# Altium PCB FMC_ADC_100M_10B_16CHA_TDC.PcbDoc (part 1 of 4)
Units mm, origin at the board's own origin, x right, y up, seen from the top; angles counter-clockwise.
Board outline 76.78 x 69 mm, 6 copper layers (TOP, G1, L1, G2, POWER, BOTTOM), stack 1.282 mm thick; 796 components, 673 nets, 2963 pads, 62 vias.
Unrouted connection lines stored in the file: 2096.
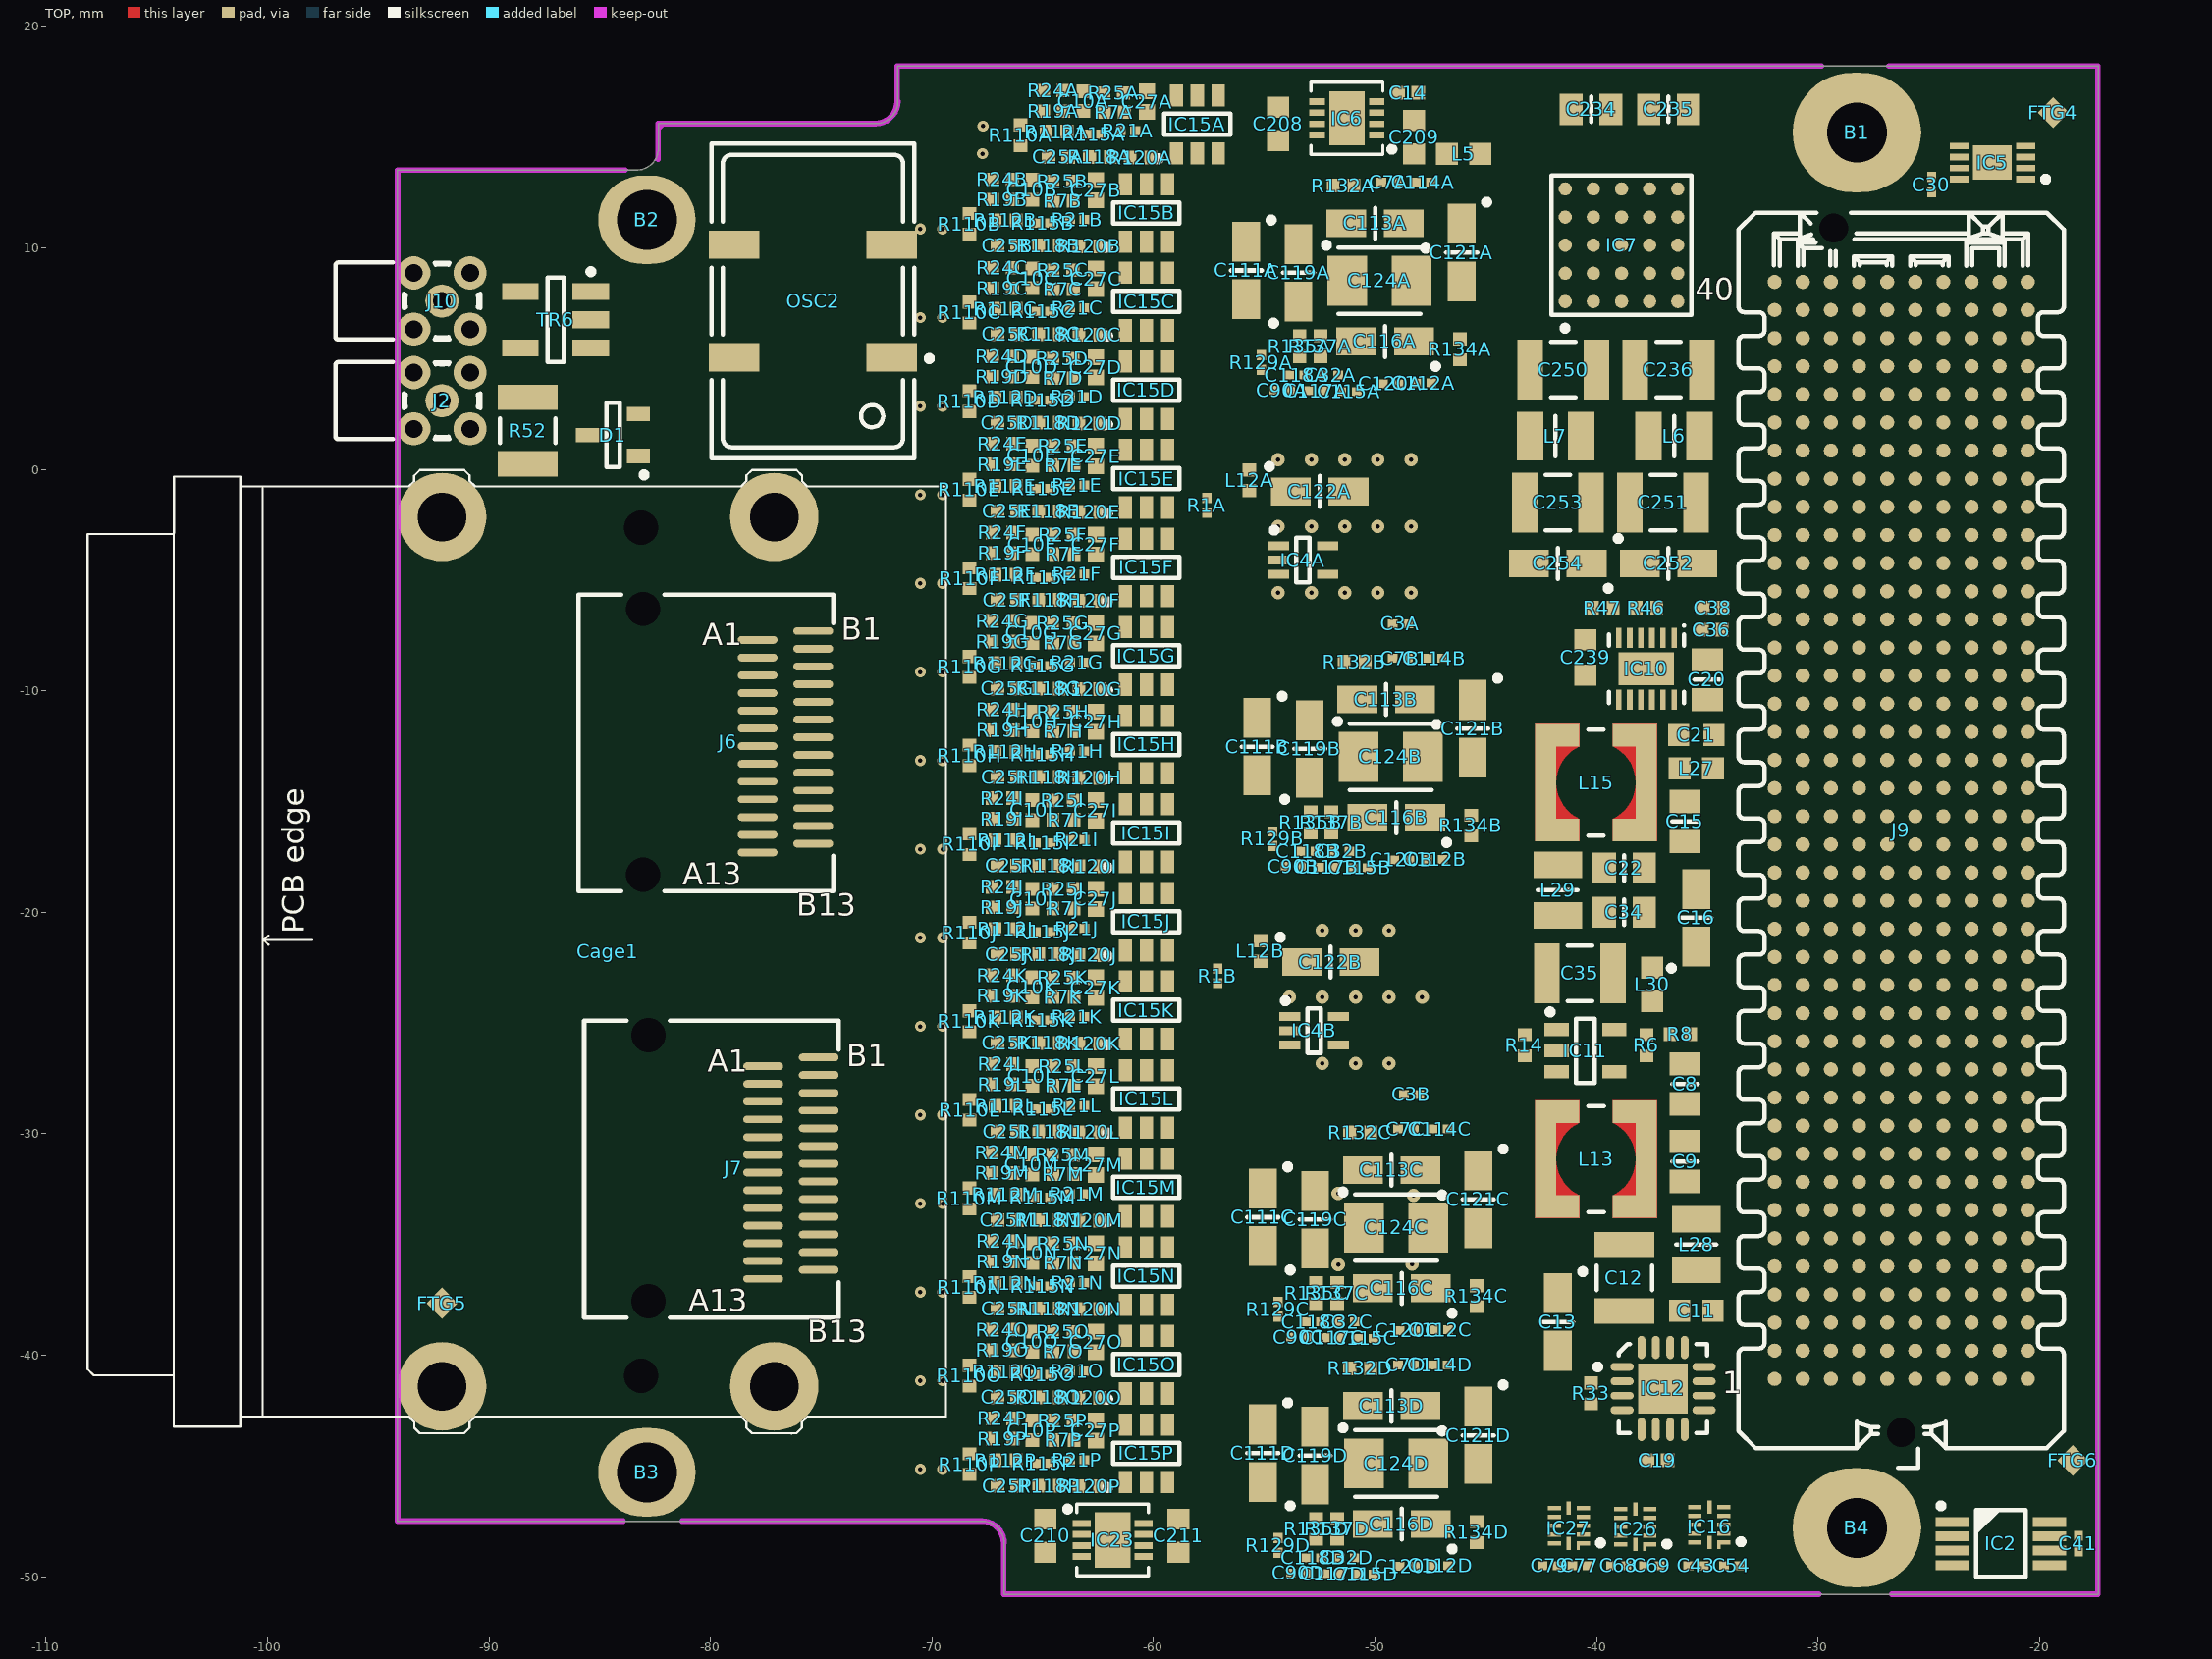
[diagram p0: TOP view]
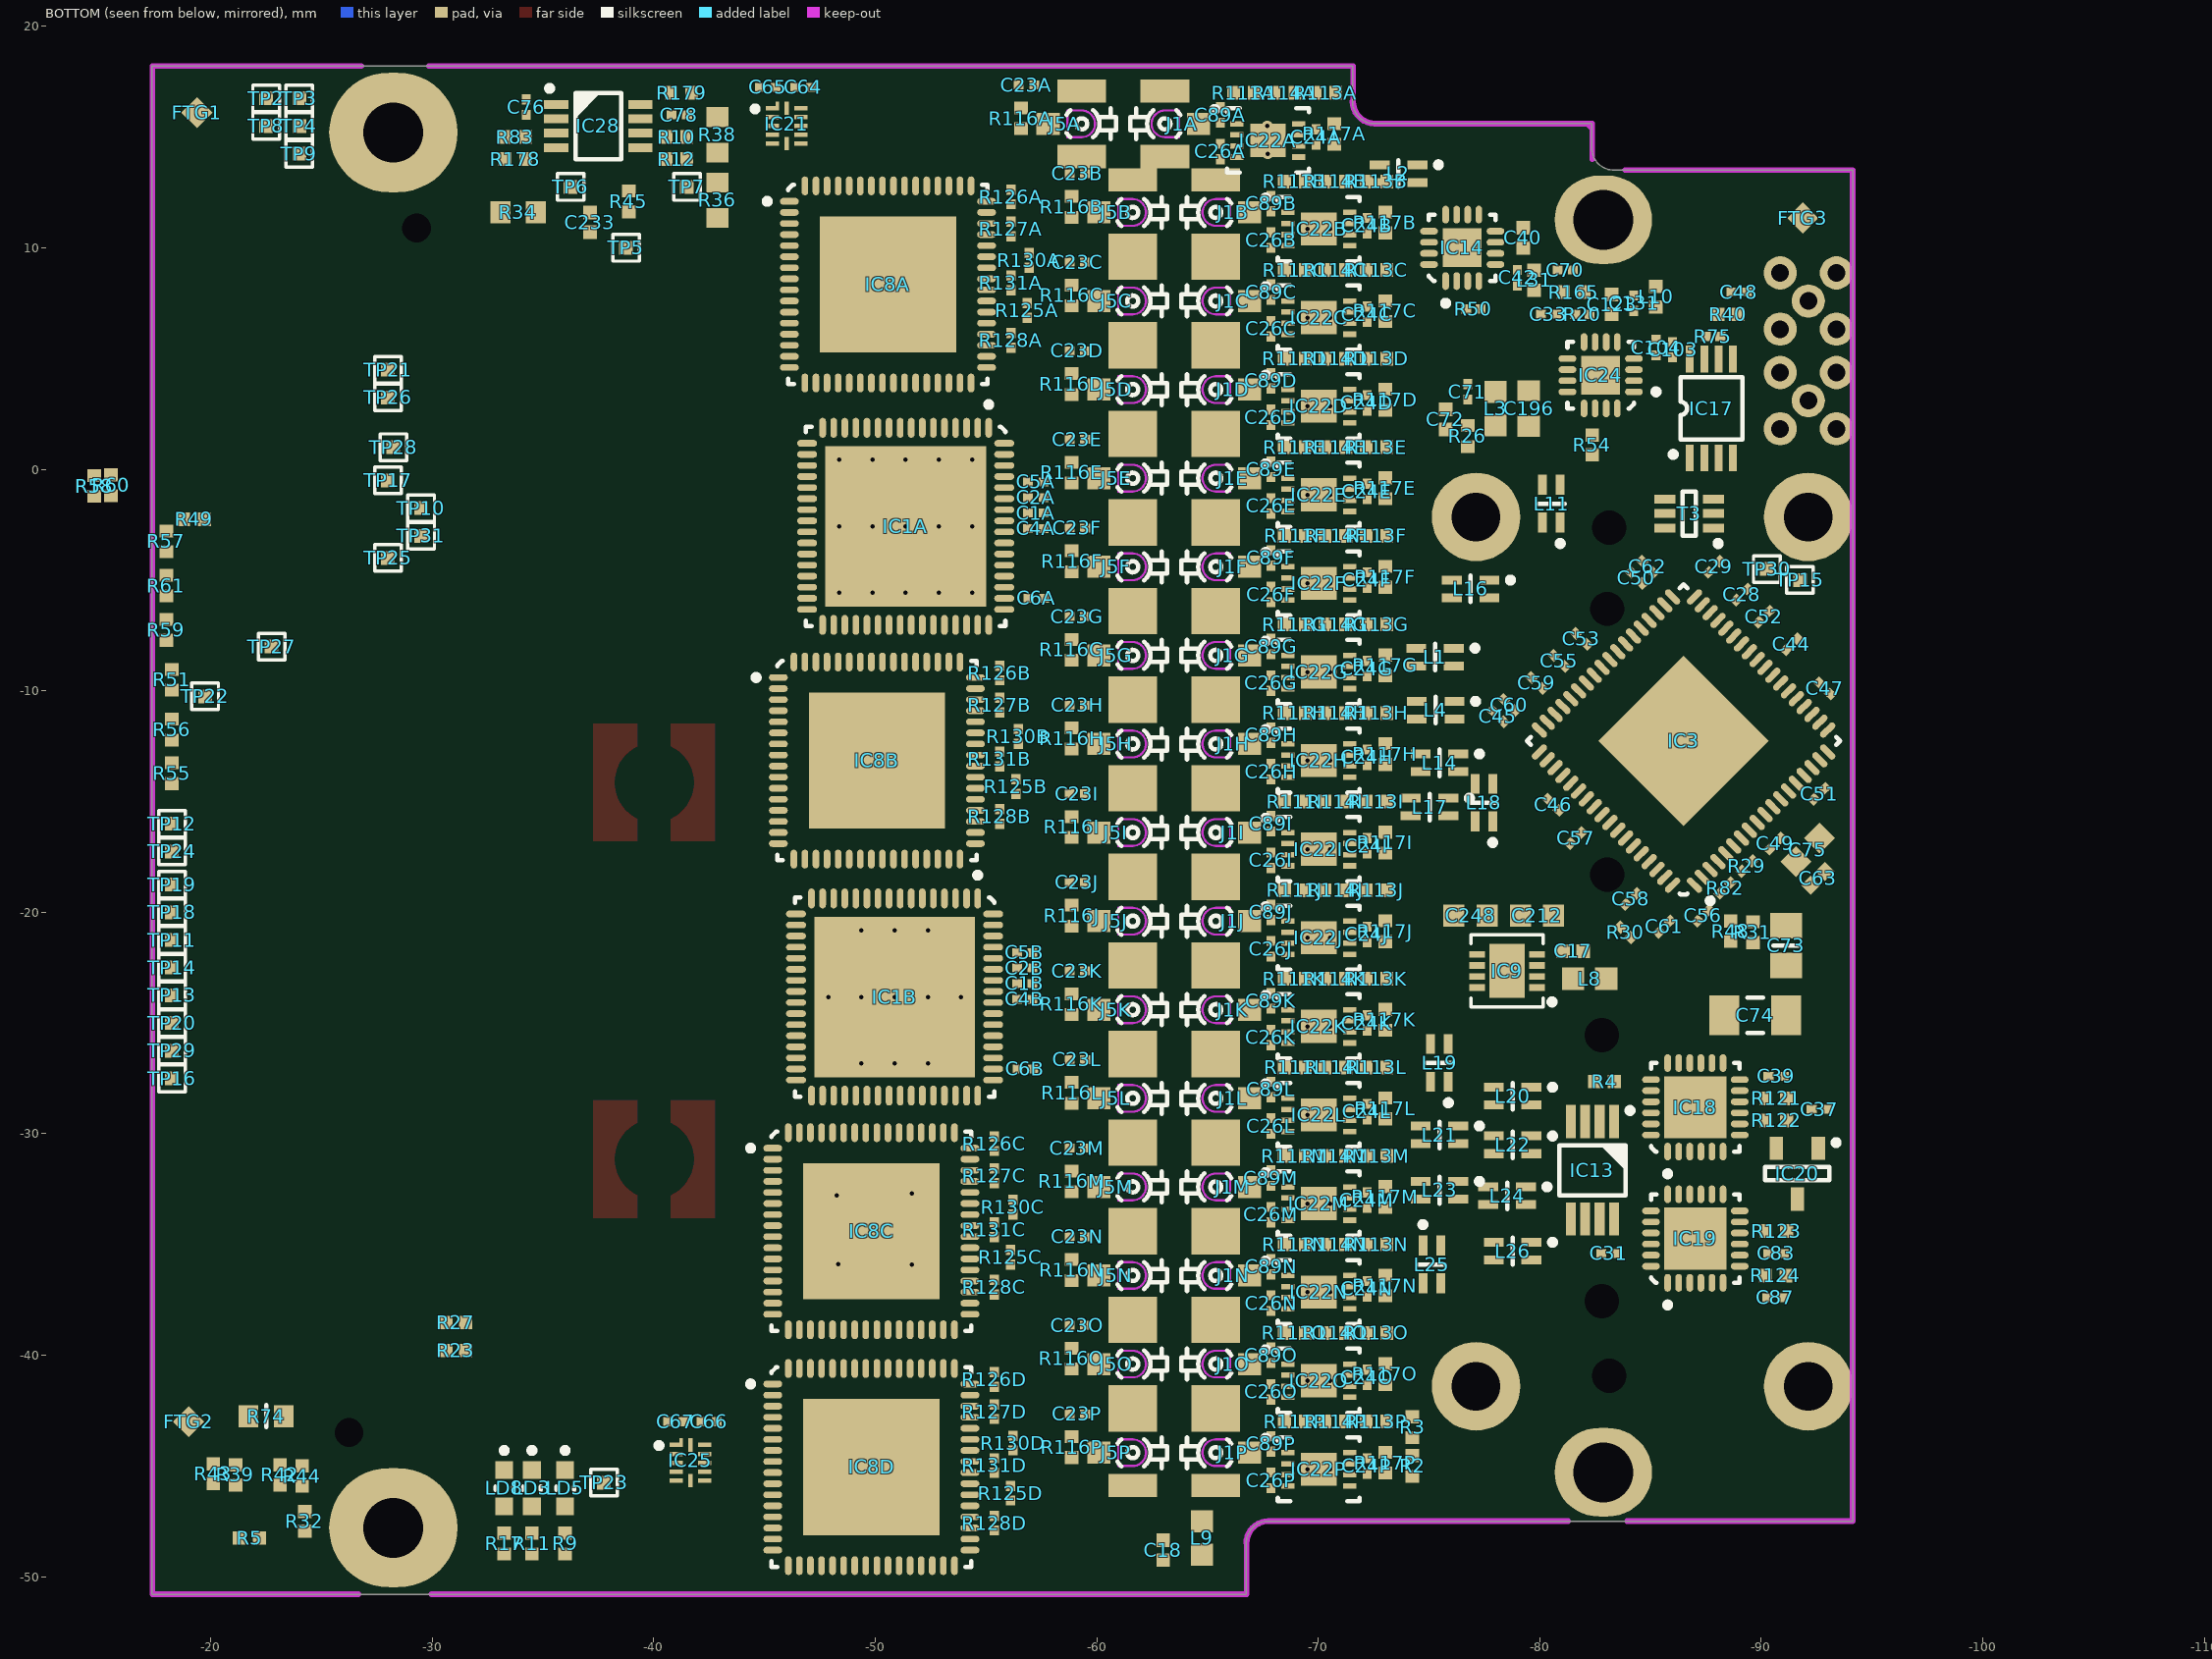
[diagram p1: BOTTOM view, seen from below]
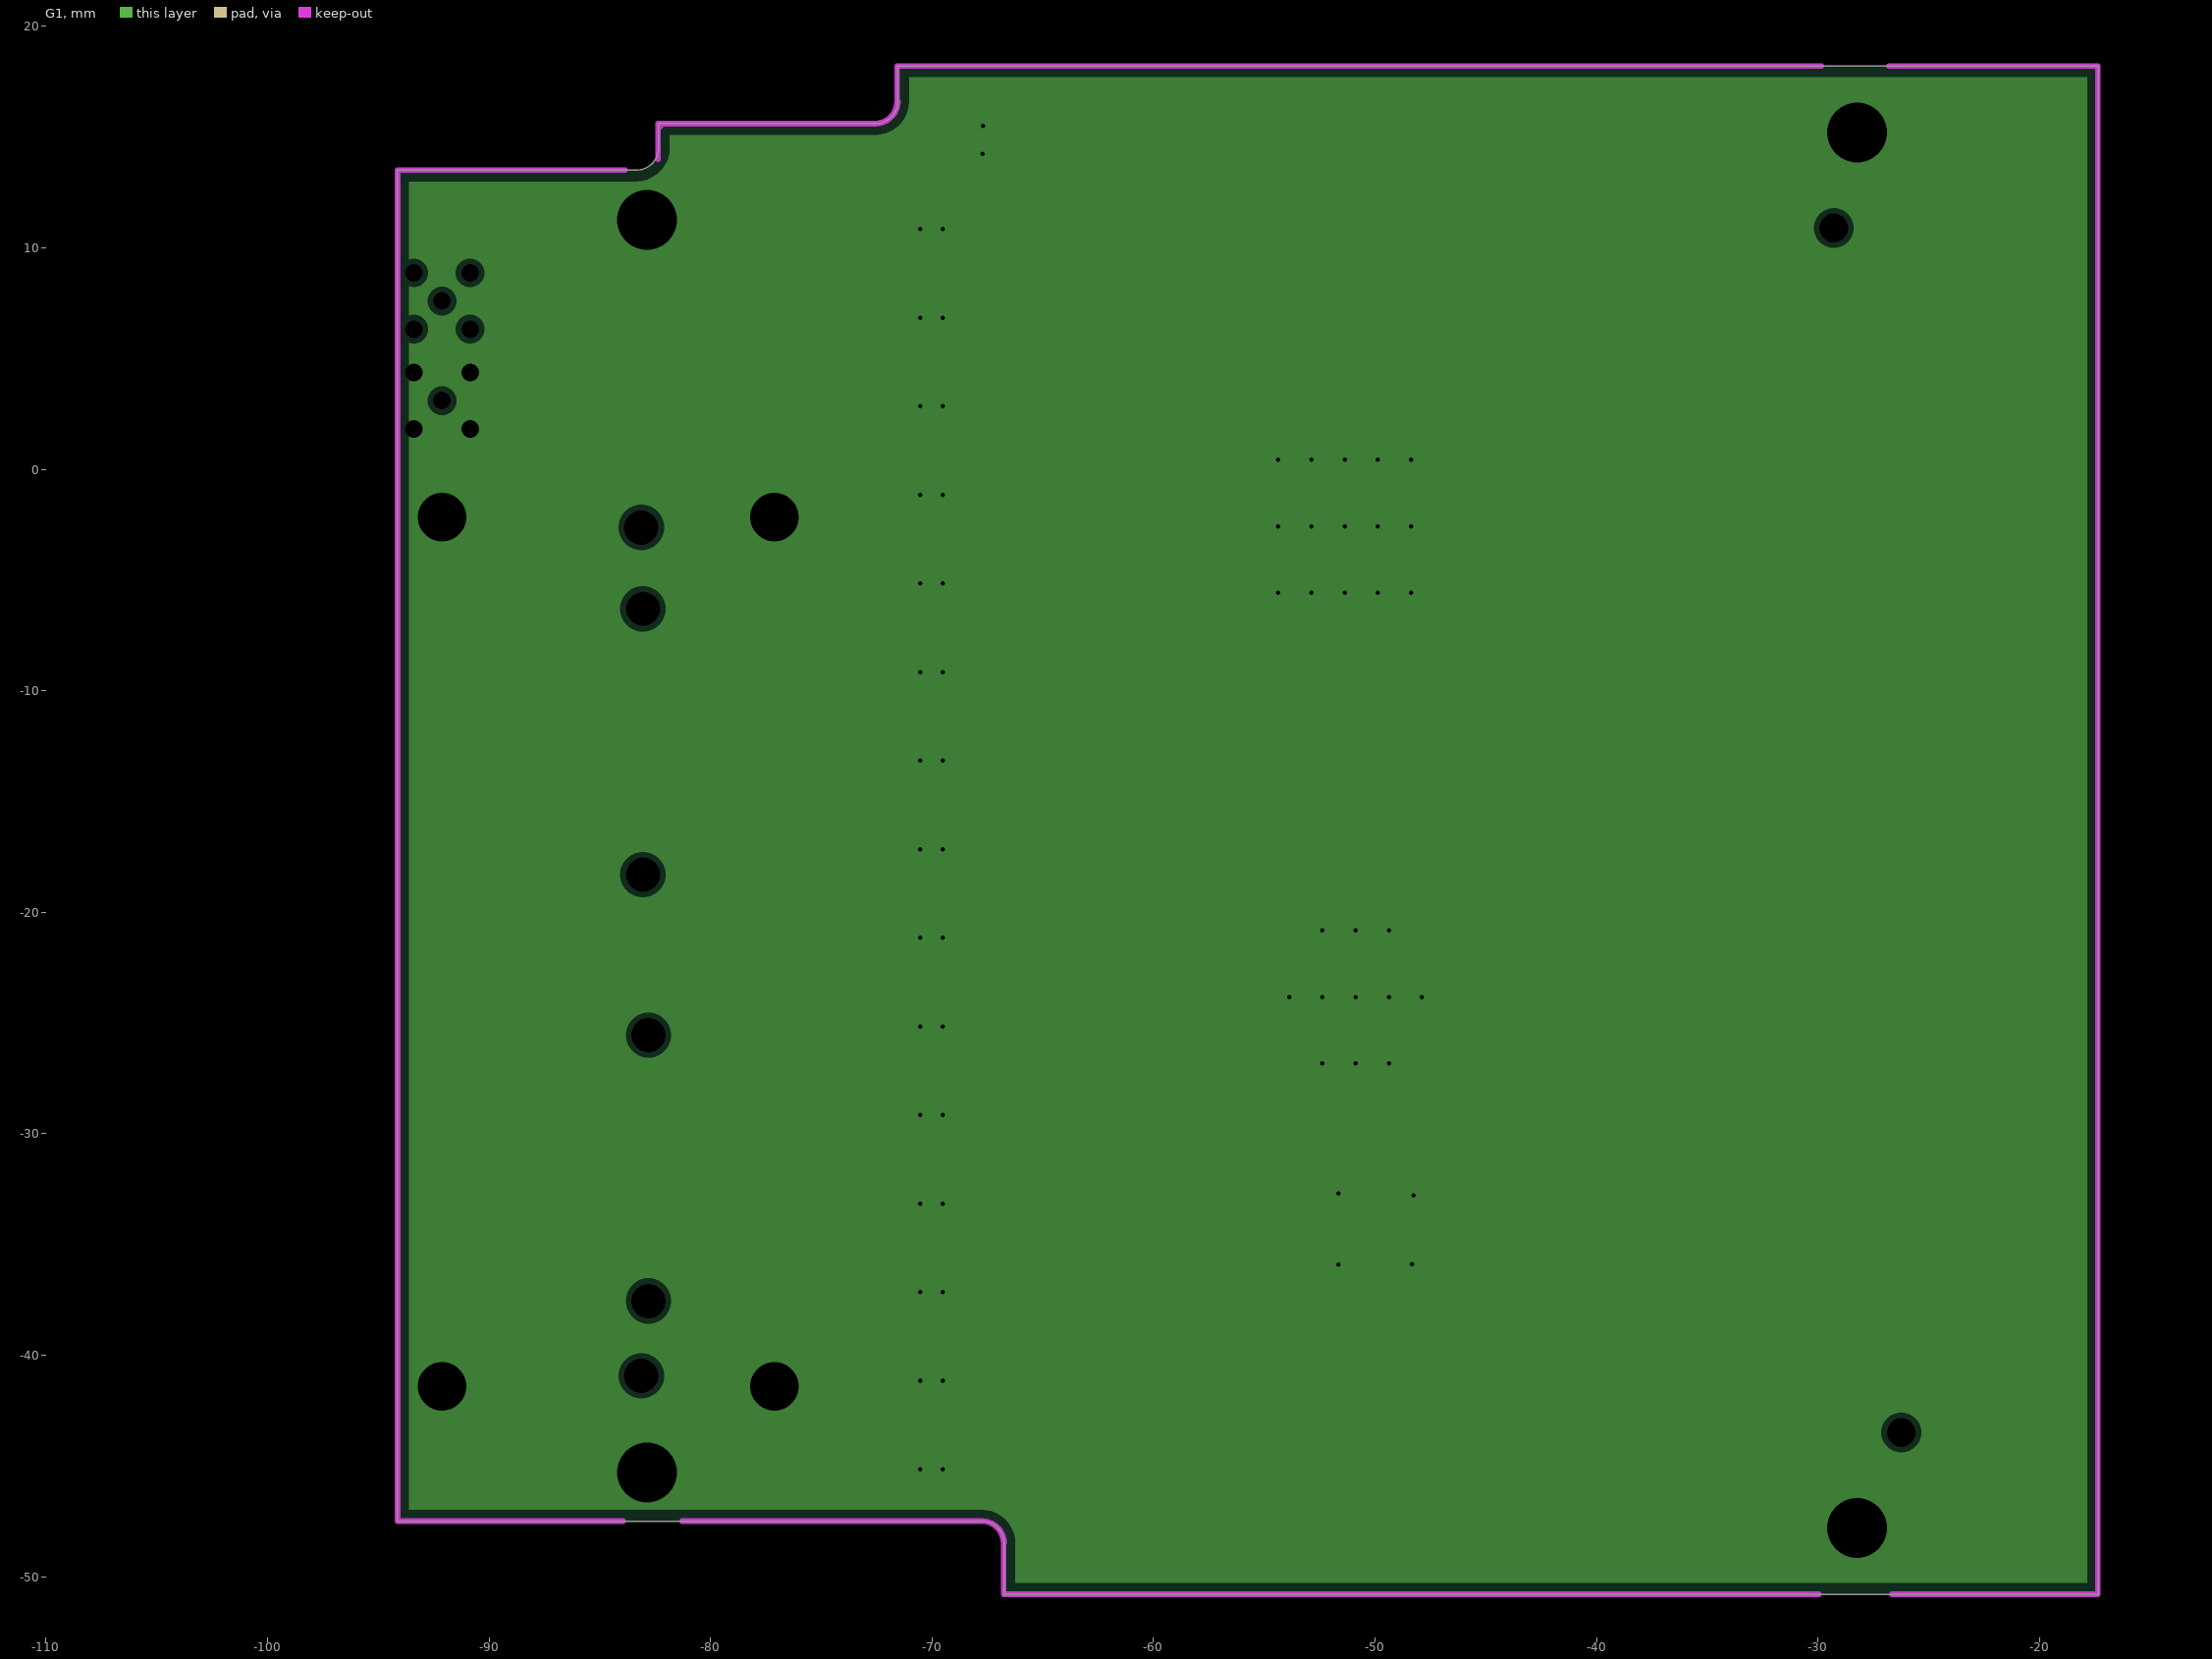
[diagram p2: G1, clearances drawn from the general rule]